# KiCad board d4_small_pcb_panel.kicad_pcb (continued)
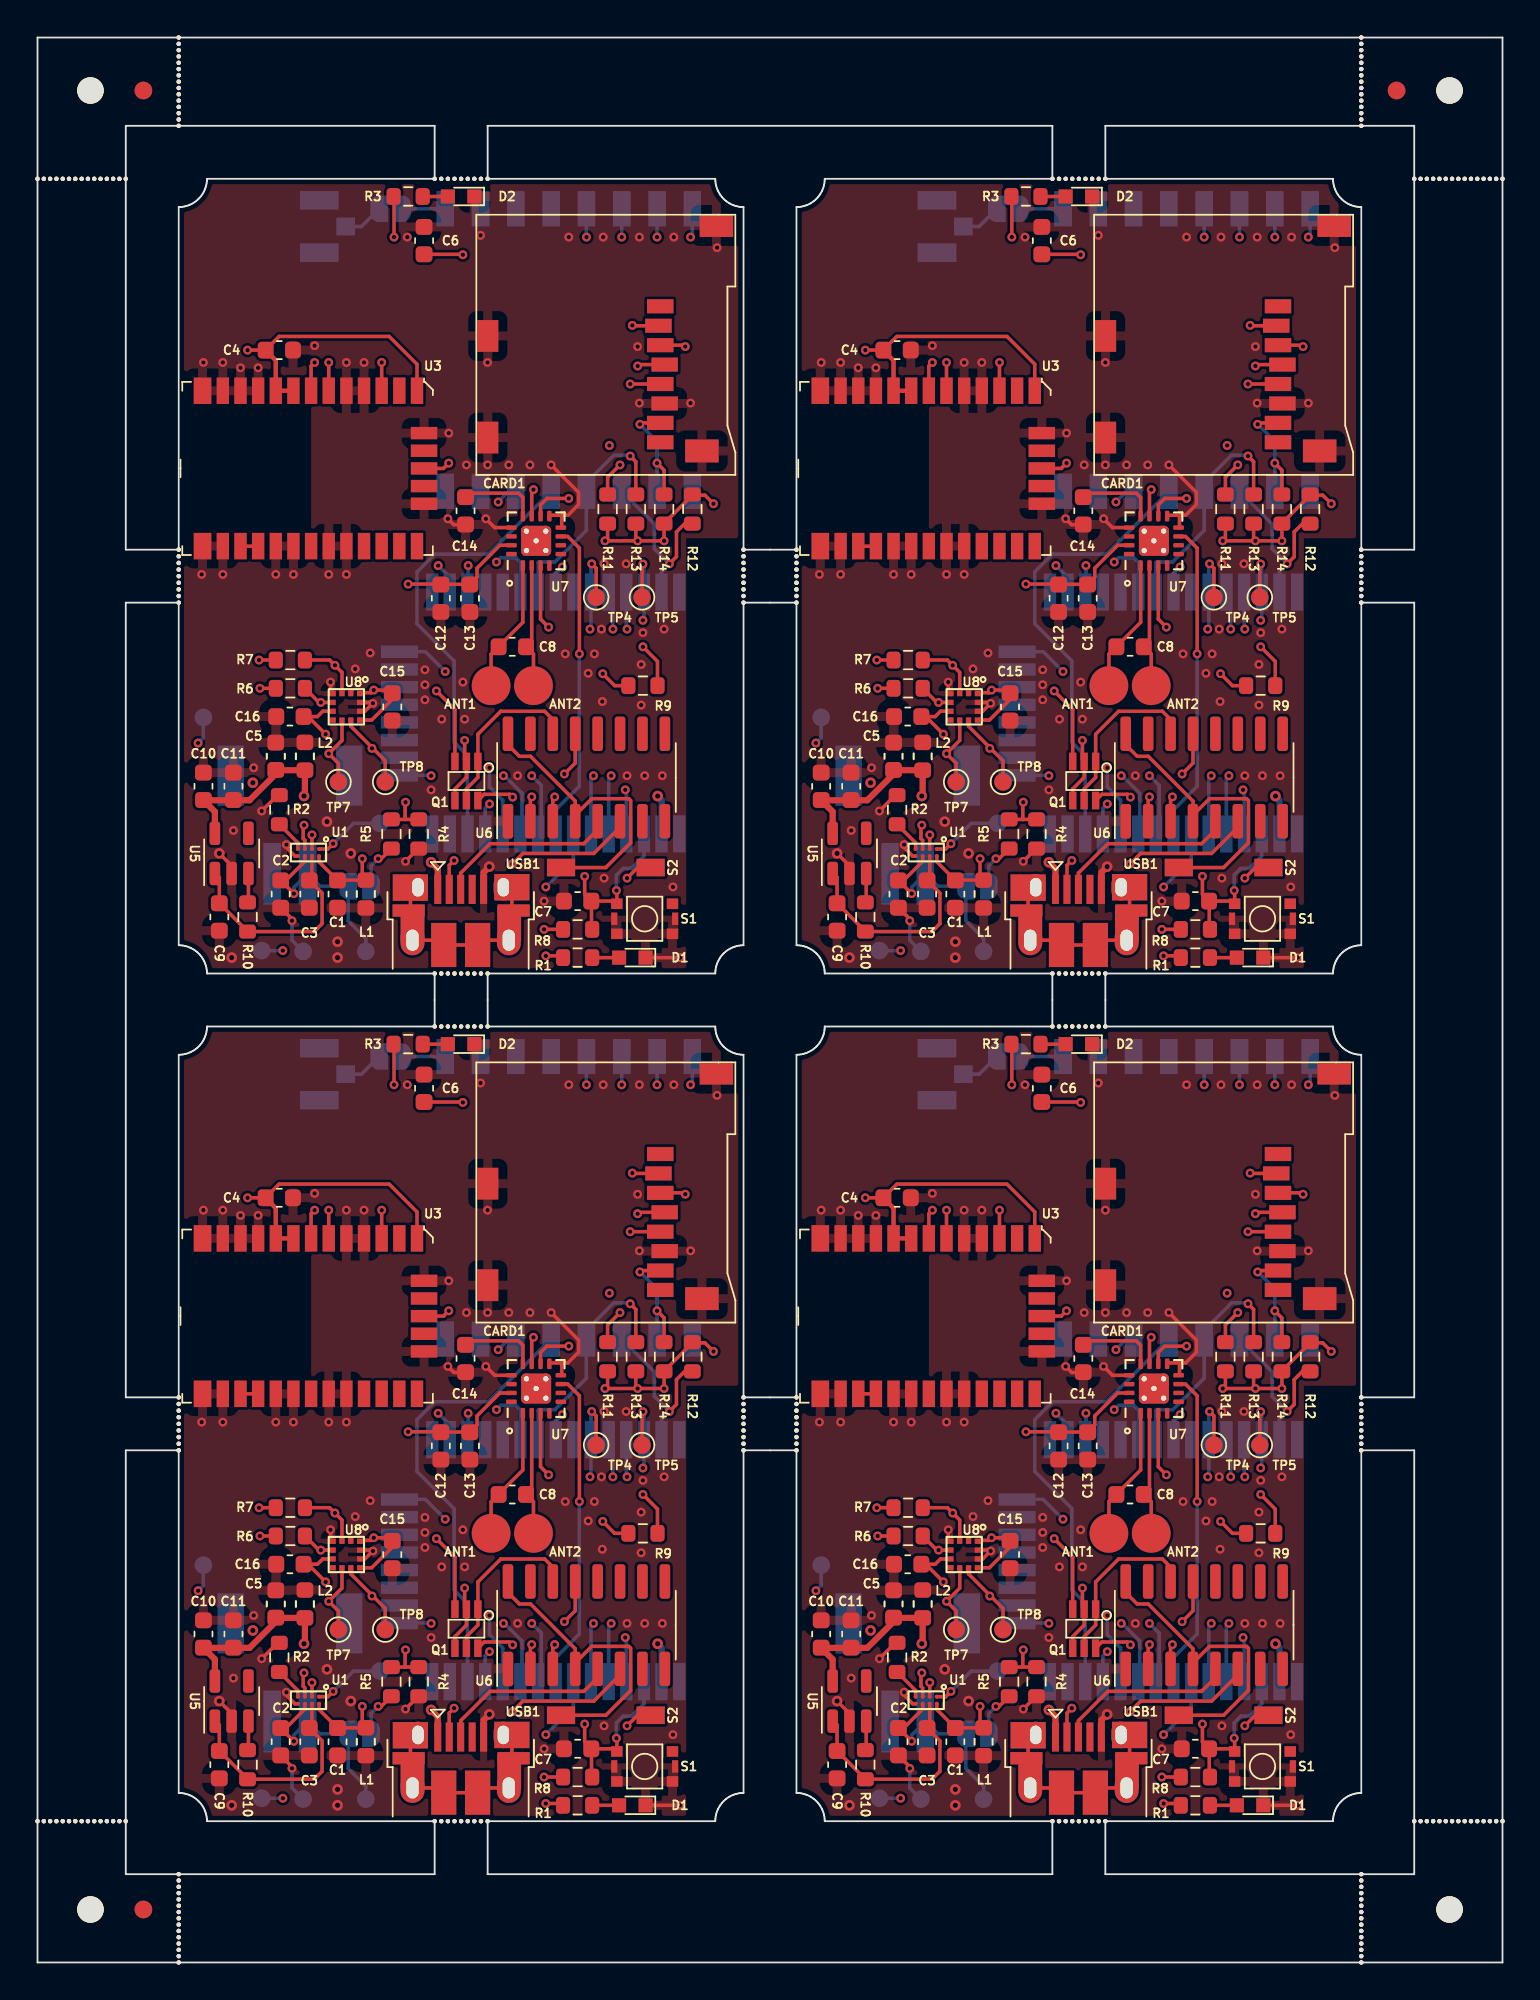
[diagram p0: board, top side]
## Placement (name value [footprint] x y rotation side) (continued)
R12  10k  [R_0603_1608Metric]  37.1 34.3 270 top
R12#2  10k  [R_0603_1608Metric]  37.1 82.3 270 top
R12#3  10k  [R_0603_1608Metric]  72.1 82.3 270 top
R12#4  10k  [R_0603_1608Metric]  72.1 34.3 270 top
R13  10k  [R_0603_1608Metric]  33.9 82.3 90 top
R13#2  10k  [R_0603_1608Metric]  68.9 82.3 90 top
R13#3  10k  [R_0603_1608Metric]  68.9 34.3 90 top
R13#4  10k  [R_0603_1608Metric]  33.9 34.3 90 top
R14  10k  [R_0603_1608Metric]  35.5 34.3 90 top
R14#2  10k  [R_0603_1608Metric]  35.5 82.3 90 top
R14#3  10k  [R_0603_1608Metric]  70.5 34.3 90 top
R14#4  10k  [R_0603_1608Metric]  70.5 82.3 90 top
S1  switch_würth_SMT_3.0x2.6mm  [würth_SMT_3.0x2.6mm]  69.4 11.1 0 top
S1#2  switch_würth_SMT_3.0x2.6mm  [würth_SMT_3.0x2.6mm]  34.4 11.1 0 top
S1#3  switch_würth_SMT_3.0x2.6mm  [würth_SMT_3.0x2.6mm]  34.4 59.1 0 top
S1#4  switch_würth_SMT_3.0x2.6mm  [würth_SMT_3.0x2.6mm]  69.4 59.1 0 top
S2  SW_DIP_x01  [CHS-01TA]  29.66 14 270 top
S2#2  SW_DIP_x01  [CHS-01TA]  64.66 14 270 top
S2#3  SW_DIP_x01  [CHS-01TA]  29.66 62 270 top
S2#4  SW_DIP_x01  [CHS-01TA]  64.66 62 270 top
TP1  GND  [TestPoint_Pad_D1.0mm]  50.05 57.25 180 bottom
TP1#2  GND  [TestPoint_Pad_D1.0mm]  50.05 9.25 180 bottom
TP1#3  GND  [TestPoint_Pad_D1.0mm]  15.05 9.25 180 bottom
TP1#4  GND  [TestPoint_Pad_D1.0mm]  15.05 57.25 180 bottom
TP2  5V  [TestPoint_Pad_D1.0mm]  47.7 57.3 180 bottom
TP2#2  5V  [TestPoint_Pad_D1.0mm]  12.7 57.3 180 bottom
TP2#3  5V  [TestPoint_Pad_D1.0mm]  12.7 9.3 180 bottom
TP2#4  5V  [TestPoint_Pad_D1.0mm]  47.7 9.3 180 bottom
TP3  3V3  [TestPoint_Pad_D1.0mm]  9.4 70.5 180 bottom
TP3#2  3V3  [TestPoint_Pad_D1.0mm]  44.4 70.5 180 bottom
TP3#3  3V3  [TestPoint_Pad_D1.0mm]  44.4 22.5 180 bottom
TP3#4  3V3  [TestPoint_Pad_D1.0mm]  9.4 22.5 180 bottom
TP4  SDA  [TestPoint_Pad_D1.0mm]  31.65 29.3 0 top
TP4#2  SDA  [TestPoint_Pad_D1.0mm]  66.65 29.3 0 top
TP4#3  SDA  [TestPoint_Pad_D1.0mm]  66.65 77.3 0 top
TP4#4  SDA  [TestPoint_Pad_D1.0mm]  31.65 77.3 0 top
TP5  SCL  [TestPoint_Pad_D1.0mm]  69.25 77.3 0 top
TP5#2  SCL  [TestPoint_Pad_D1.0mm]  34.25 29.3 0 top
TP5#3  SCL  [TestPoint_Pad_D1.0mm]  34.25 77.3 0 top
TP5#4  SCL  [TestPoint_Pad_D1.0mm]  69.25 29.3 0 top
TP6  BATT  [TestPoint_Pad_D1.0mm]  53.6 9.25 180 bottom
TP6#2  BATT  [TestPoint_Pad_D1.0mm]  18.6 9.25 180 bottom
TP6#3  BATT  [TestPoint_Pad_D1.0mm]  53.6 57.25 180 bottom
TP6#4  BATT  [TestPoint_Pad_D1.0mm]  18.6 57.25 180 bottom
TP7  ACC1  [TestPoint_Pad_D1.0mm]  17.05 66.85 0 top
TP7#2  ACC1  [TestPoint_Pad_D1.0mm]  17.05 18.85 0 top
TP7#3  ACC1  [TestPoint_Pad_D1.0mm]  52.05 18.85 0 top
TP7#4  ACC1  [TestPoint_Pad_D1.0mm]  52.05 66.85 0 top
TP8  ACC2  [TestPoint_Pad_D1.0mm]  54.7 66.85 0 top
TP8#2  ACC2  [TestPoint_Pad_D1.0mm]  54.7 18.85 0 top
TP8#3  ACC2  [TestPoint_Pad_D1.0mm]  19.7 66.85 0 top
TP8#4  ACC2  [TestPoint_Pad_D1.0mm]  19.7 18.85 0 top
TP9  TI_BATT_INT  [TestPoint_Pad_D1.0mm]  54.4 16.5 180 bottom
TP9#2  TI_BATT_INT  [TestPoint_Pad_D1.0mm]  54.4 64.5 180 bottom
TP9#3  TI_BATT_INT  [TestPoint_Pad_D1.0mm]  19.4 64.5 180 bottom
TP9#4  TI_BATT_INT  [TestPoint_Pad_D1.0mm]  19.4 16.5 180 bottom
U1  -  [BQ25180]  50.35 14.85 270 top
U1#2  -  [BQ25180]  15.35 14.85 270 top
U1#3  -  [BQ25180]  15.35 62.85 270 top
U1#4  -  [BQ25180]  50.35 62.85 270 top
U2  -  [TTGO-Micro32-ESP32]  55.8 64.2 90 bottom
U2#2  -  [TTGO-Micro32-ESP32]  20.8 16.2 90 bottom
U2#3  -  [TTGO-Micro32-ESP32]  20.8 64.2 90 bottom
U2#4  -  [TTGO-Micro32-ESP32]  55.8 16.2 90 bottom
U3  CAM-M8C  [GPS_Module_CAM-M8C-0]  15.5 84.6 270 top
U3#2  CAM-M8C  [GPS_Module_CAM-M8C-0]  15.5 36.6 270 top
U3#3  CAM-M8C  [GPS_Module_CAM-M8C-0]  50.5 36.6 270 top
U3#4  CAM-M8C  [GPS_Module_CAM-M8C-0]  50.5 84.6 270 top
U4  RFM95W-868S2  [HOPERF_RFM9XW_SMD]  30.1 43.3 90 bottom
U4#2  RFM95W-868S2  [HOPERF_RFM9XW_SMD]  65.1 91.3 90 bottom
U4#3  RFM95W-868S2  [HOPERF_RFM9XW_SMD]  30.1 91.3 90 bottom
U4#4  RFM95W-868S2  [HOPERF_RFM9XW_SMD]  65.1 43.3 90 bottom
U5  AP2112K-3.3  [SOT-23-5]  11 14.8 90 top
U5#2  AP2112K-3.3  [SOT-23-5]  11 62.8 90 top
U5#3  AP2112K-3.3  [SOT-23-5]  46 14.8 90 top
U5#4  AP2112K-3.3  [SOT-23-5]  46 62.8 90 top
U6  CH340G  [SOIC-16_3.9x9.9mm_P1.27mm]  31.1 19.1 90 top
U6#2  CH340G  [SOIC-16_3.9x9.9mm_P1.27mm]  66.1 67.1 90 top
U6#3  CH340G  [SOIC-16_3.9x9.9mm_P1.27mm]  31.1 67.1 90 top
U6#4  CH340G  [SOIC-16_3.9x9.9mm_P1.27mm]  66.1 19.1 90 top
U7  RF430CL330HIRGTR‎  [RF430_3x3mm_regular]  28.25 32.5 90 top
U7#2  RF430CL330HIRGTR‎  [RF430_3x3mm_regular]  63.25 32.5 90 top
U7#3  RF430CL330HIRGTR‎  [RF430_3x3mm_regular]  63.25 80.5 90 top
U7#4  RF430CL330HIRGTR‎  [RF430_3x3mm_regular]  28.25 80.5 90 top
U8  BMA400  [BMA400_regular]  17.5 23.1 270 top
U8#2  BMA400  [BMA400_regular]  52.5 23.1 270 top
U8#3  BMA400  [BMA400_regular]  17.5 71.1 270 top
U8#4  BMA400  [BMA400_regular]  52.5 71.1 270 top
USB1  USB_B_Micro  [USB_Micro-B_Amphenol_10103594-0001LF_Horizontal]  24 59 0 top
USB1#2  USB_B_Micro  [USB_Micro-B_Amphenol_10103594-0001LF_Horizontal]  24 11 0 top
USB1#3  USB_B_Micro  [USB_Micro-B_Amphenol_10103594-0001LF_Horizontal]  59 11 0 top
USB1#4  USB_B_Micro  [USB_Micro-B_Amphenol_10103594-0001LF_Horizontal]  59 59 0 top

## Library data of the parts
ANT1 ANT1#2-ANT1#4 ANT2 ANT2#2-ANT2#4 = -: Datasheet: https://www.mouser.de/datasheet/2/181/P70_10X-1018735.pdf; MFG: Harwin; MPN: P70-1010045R
C8 C8#2-C8#4 = -: MFG: Murata Electronics; MFN: GCM1885C2A100FA16J
C14 C14#2-C14#4 = -: Datasheet: https://www.mouser.de/datasheet/2/281/1/GRM188R61E474KA12_01A-1985832.pdf; MFG: Murata Electronics; MFN: GRM188R61E474KA12D
CARD1 CARD1#2-CARD1#4 = -: Datasheet: https://datasheet.lcsc.com/lcsc/2109061830_XUNPU-TF-101B_C266608.pdf; OC_LCSC: C266608
D1 D1#2-D1#4 = -: Datasheet: https://www.mouser.de/datasheet/2/216/APHD1608LSURCK-1100899.pdf; MFG: Kingbright; MFN: APHD1608LSURCK
D2 D2#2-D2#4 = -: Datasheet: https://www.mouser.de/datasheet/2/216/APTD1608LCGCK-1102124.pdf; MFG: Kingbright; MFN: APTD1608LCGCK
J1 J1#2-J1#4 = -: Datasheet: http://www.jst-mfg.com/product/pdf/eng/ePH.pdf; Description: CONN HEADER SMD R/A 2POS 2MM; Category: Connectors, Interconnects; DK_Datasheet_Link: http://www.jst-mfg.com/product/pdf/eng/ePH.pdf; DK_Detail_Page: /product-detail/en/jst-sales-america-inc/S2B-PH-SM4-TB(LF)(SN)/455-1749-1-ND/926846; Digi-Key_PN: 455-1749-1-ND; Family: Rectangular Connectors - Headers, Male Pins; MPN: S2B-PH-SM4-TB(LF)(SN); Manufacturer: JST Sales America Inc.; Status: Active
J2 J2#2-J2#4 = -: Datasheet: https://www.hirose.com/product/en/download_file/key_name/U.FL-R-SMT-1%2810%29/category/Drawing%20(2D)/doc_file_id/37627/?file_category_id=6&item_id=03310472210&is_series=U.FL-R-SMT-1(10; Description: CONN U.FL RCPT STR 50 OHM SMD; Category: Connectors, Interconnects; DK_Datasheet_Link: https://www.hirose.com/product/en/download_file/key_name/U.FL-R-SMT-1%2810%29/category/Drawing%20(2D)/doc_file_id/37627/?file_category_id=6&item_id=03310472210&is_series=U.FL-R-SMT-1(10; DK_Detail_Page: /product-detail/en/hirose-electric-co-ltd/U.FL-R-SMT-1(10)/H11891CT-ND/2504612; Digi-Key_PN: H11891CT-ND; Family: Coaxial Connectors (RF); MPN: U.FL-R-SMT-1(10); Manufacturer: Hirose Electric Co Ltd; Status: Active
S1 S1#2-S1#4 = -: Datasheet: https://www.mouser.de/datasheet/2/445/435171014816-3087384.pdf; MFG: Wurth Elektronik; MPN: 435171014816
S2 S2#2-S2#4 = -: Datasheet: https://www.mouser.de/datasheet/2/972/chs-1827180.pdf; MFG: Nidec Components; MPN: CHS-01TA
U1 U1#2-U1#4 = -: Datasheet: https://www.ti.com/lit/ds/symlink/bq25180.pdf; MFG: Texas Instruments; MPN: BQ25180YBGR
U3 U3#2-U3#4 = -: Datasheet: https://www.u-blox.com/sites/default/files/CAM-M8-FW3_DataSheet_%28UBX-15031574%29.pdf; Description: RF RCVR GNSS/GPS 1.575GHZ MODULE; Category: RF/IF and RFID; DK_Datasheet_Link: https://www.u-blox.com/sites/default/files/CAM-M8-FW3_DataSheet_%28UBX-15031574%29.pdf; DK_Detail_Page: /product-detail/en/u-blox-america-inc/CAM-M8C-0-10/672-CAM-M8C-0-10CT-ND/6150677; Digi-Key_PN: 672-CAM-M8C-0-10CT-ND; Family: RF Receivers; MPN: CAM-M8C-0-10; Manufacturer: U-Blox America Inc.; Status: Active
U4 U4#2-U4#4 = -: Datasheet: https://www.hoperf.com/data/upload/portal/20181127/5bfcbea20e9ef.pdf
U5 U5#2-U5#4 = -: Datasheet: https://www.diodes.com/assets/Datasheets/AP2112.pdf; MFG: Diodes Incorporated; MFN: AP2112K-3.3TRG1
U6 U6#2-U6#4 = -: Datasheet: http://www.datasheet5.com/pdf-local-2195953; OC_LCSC: C14267
U7 U7#2-U7#4 = -: Datasheet: https://www.ti.com/lit/ds/symlink/rf430cl330h.pdf; MFG: Texas Instruments; MPN: RF430CL330HIRGTR
U8 U8#2-U8#4 = -: Datasheet: https://www.mouser.de/datasheet/2/783/BST_BMA400_DS000-1509606.pdf
USB1 USB1#2-USB1#4 = -: Datasheet: https://www.mouser.de/ProductDetail/Amphenol-FCI/10103594-0001LF?qs=EnLMdcWnKABYZwdMsmC%2Fag%3D%3D; MFG: Amphenol FCI; MPN: 10103594-0001LF

## Footprints (pads in the part's own frame, mm; a bottom-side part is the same pattern mirrored in y, then rotated)
BMA400_regular
  rect 0.3x0.35 smd: 1(-0.75,-0.775) 2(-0.25,-0.775) 3(0.25,-0.775) 4(0.75,-0.775) 7(0.75,0.775) 8(0.25,0.775) 9(-0.25,0.775) 10(-0.75,0.775)
  rect 0.35x0.3 smd: 5(0.775,-0.25) 6(0.775,0.25) 11(-0.775,0.25) 12(-0.775,-0.25)
BQ25180
  round 0.23 smd: 1(-0.2,0.6) 2(-0.2,0.2) 3(-0.2,-0.2) 4(-0.2,-0.6) 5(0.2,0.6) 6(0.2,0.2) 7(0.2,-0.2) 8(0.2,-0.6)
C_0603_1608Metric
  rrect 0.9x0.95 smd: 1(-0.775,0) 2(0.775,0)
CHS-01TA
  rect 1x1.6 smd: 1(0,0) 2(0,5.08)
Coax_Conn_U.FL
  rect 1.05x2.2 smd: 1(-1.475,0) 1(1.475,0)
  rect 1x1.05 smd: 2(0,-1.5)
Fiducial
  round 1 smd: (0,0)
GPS_Module_CAM-M8C-0
  rect 1.5x0.7 smd: 1(-4.4,6) 2(-4.4,5) 3(-4.4,4) 4(-4.4,3) 5(-4.4,2) 6(-4.4,1) 7(-4.4,0) 8(-4.4,-1) 9(-4.4,-2) 10(-4.4,-3) 11(-4.4,-4) 12(-4.4,-5) 15(4.4,-5) 16(4.4,-4) 17(4.4,-3) 18(4.4,-2) 19(4.4,-1) 20(4.4,0) 21(4.4,1) 22(4.4,2) 23(4.4,3) 24(4.4,4) 25(4.4,5) 26(4.4,6)
  rect 1.5x1 smd: 13(-4.4,-6.15) 14(4.4,-6.15)
  rect 0.7x1.5 smd: 27(2,6.4) 28(1,6.4) 29(0,6.4) 30(-1,6.4) 31(-2,6.4)
HOPERF_RFM9XW_SMD
  rect 2x1 smd: 1(-8,7) 2(-8,5) 3(-8,3) 4(-8,1) 5(-8,-1) 6(-8,-3) 7(-8,-5) 8(-8,-7) 9(8,-7) 10(8,-5) 11(8,-3) 12(8,-1) 13(8,1) 14(8,3) 15(8,5) 16(8,7)
L_0603_1608Metric
  rrect 0.875x0.95 smd: 1(-0.787,0) 2(0.787,0)
LED_0603
  rect 0.8x0.8 smd: 1(-0.75,0) 2(0.75,0)
NPTH
  round 0.25 hole 0.25 unplated: (0,0)
NPTH#2
  round 1.5 hole 1.5 unplated: (0,0)
PinHeader_2x1mm_P2mm_SMD_RA
  rect 1.5x3.4 smd: (-3.35,5.55) (3.35,5.55)
  rect 1x3.5 smd: 1(-1,0) 2(1,0)
PogoPin_2_2mm_circular
  round 2.2 smd: 1(1.7,-3.2)
PogoPin_2_2mm_circular#2
  round 2.2 smd: 1(1.1,-3.2)
R_0603_1608Metric
  rrect 0.8x0.95 smd: 1(-0.825,0) 2(0.825,0)
RF430_3x3mm_regular
  rrect 0.74x0.74 smd: (-0.45,0) (0.425,0)
  rrect 0.6x0.25 smd: 1(-1.4,0.75) 2(-1.4,0.25) 3(-1.4,-0.25) 4(-1.4,-0.75) 9(1.4,-0.75) 10(1.4,-0.25) 11(1.4,0.25) 12(1.4,0.75)
  rrect 0.25x0.6 smd: 5(-0.75,-1.4) 6(-0.25,-1.4) 7(0.25,-1.4) 8(0.75,-1.4) 13(0.75,1.4) 14(0.25,1.4) 15(-0.25,1.4) 16(-0.75,1.4)
  round 0.6 hole 0.3: 17(-0.55,0.55) 17(-0.55,-0.55) 17(0,0) 17(0.55,0.55) 17(0.55,-0.55)
  rrect 1.7x1.7 smd: 17(0,0)
  rrect 1.7x1.7 smd far side: 17(0,0)
SOIC-16_3.9x9.9mm_P1.27mm
  rrect 1.95x0.6 smd: 1(-2.475,4.445) 2(-2.475,3.175) 3(-2.475,1.905) 4(-2.475,0.635) 5(-2.475,-0.635) 6(-2.475,-1.905) 7(-2.475,-3.175) 8(-2.475,-4.445) 9(2.475,-4.445) 10(2.475,-3.175) 11(2.475,-1.905) 12(2.475,-0.635) 13(2.475,0.635) 14(2.475,1.905) 15(2.475,3.175) 16(2.475,4.445)
SolderJumper-2_P1.3mm_Open_RoundedPad1.0x1.5mm
  custom 1x1.5 smd: 1(-0.65,0) 2(0.65,0)
SOT-23-5
  rrect 1.325x0.6 smd: 1(-1.137,0.95) 2(-1.137,0) 3(-1.137,-0.95) 4(1.137,-0.95) 5(1.137,0.95)
TestPoint_Pad_D1.0mm
  round 1 smd: 1(0,0)
TF-SMD_TF-101B
  rect 0.8x1.5 smd: 1(2.18,-2.545) 2(1.08,-2.445) 3(-0.02,-2.545) 4(-1.12,-2.795) 5(-2.22,-2.545) 6(-3.32,-2.795) 7(-4.42,-2.545) 8(-5.52,-2.545)
  rect 1.8x1.2 smd: 9(-5.25,7.225) 10(0.5,7.225)
  rect 1.3x1.9 smd: 11(6.76,-5.725) 12(-6.01,-4.905)
TTGO-Micro32-ESP32
  rect 2.1x0.7 smd: 1(-0.3,15.56) 2(-0.3,14.56) 3(-0.3,13.56) 4(-0.3,12.56) 5(-0.3,11.56) 6(-0.3,10.56) 7(-0.3,9.56) 8(-0.3,8.56) 9(-0.3,7.56) 10(-0.3,6.56) 11(-0.3,5.56) 12(-0.3,4.56) 13(-0.3,3.56) 14(-0.3,2.56) 15(-0.3,1.56) 24(13.4,1.56) 25(13.4,2.56) 26(13.4,3.56) 27(13.4,4.56) 28(13.4,5.56) 29(13.4,6.56) 30(13.4,7.56) 31(13.4,8.56) 32(13.4,9.56) 33(13.4,10.56) 34(13.4,11.56) 35(13.4,12.56) 36(13.4,13.56) 37(13.4,14.56) 38(13.4,15.56)
  rect 0.7x2.1 smd: 16(3.02,-0.3) 17(4.02,-0.3) 18(5.02,-0.3) 19(6.02,-0.3) 20(7.02,-0.3) 21(8.02,-0.3) 22(9.02,-0.3) 23(10.02,-0.3)
UMH3N
  rect 0.42x1 smd: 1(-0.65,-1.105) 2(0,-1.105) 3(0.65,-1.105) 4(0.65,1.105) 5(0,1.105) 6(-0.65,1.105)
USB_Micro-B_Amphenol_10103594-0001LF_Horizontal
  rect 0.4x1.65 smd: 1(-1.325,1.765) 2(-0.675,1.765) 3(-0.025,1.765) 4(0.625,1.765) 5(1.275,1.765)
  rect 1.825x0.7 smd: 6(-2.975,0.565) 6(2.975,0.565)
  rect 2x1.5 smd: 6(-2.875,1.865) 6(2.875,1.885)
  rect 1.35x2 smd: 6(-2.755,-0.185) 6(2.725,-0.185)
  oval 1.35x1.7 hole 0.7x1.2: 6(-2.755,-1.115) 6(2.705,-1.115)
  oval 1.1x1.5 hole 0.65x1.05: 6(-2.445,1.885) 6(2.395,1.885)
  rect 1.43x2.5 smd: 6(-0.985,-1.385) 6(0.935,-1.385)
würth_SMT_3.0x2.6mm
  rect 0.65x0.6 smd: 1(-1.575,0.85) 2(1.575,0.85) 3(-1.575,-0.85) 4(1.575,-0.85)
  rect 0.35x0.7 smd: 5(-1.725,0) 6(1.725,0)

## Nets
Board_0-0: Q1#2.3 U2#3.25
Board_0-4: CARD1.2 R11#3.2 U2#3.26
Board_0-5: U2#3.29 U3.7
Board_0-13: U2#3.16 U4#3.14
Board_0-14: U2#3.13 U4#3.5
Board_0-15: U2#3.23 U7#4.3
Board_0-18: CARD1.5 R13.2 U2#3.30 U4#3.4
Board_0-19: CARD1.7 R14#2.2 U2#3.31 U4#3.2
Board_0-23: CARD1.3 R12#2.2 U2#3.37 U4#3.3
Board_0-27: R1.1 U2#3.12
Board_0-32: U2#3.8 U7#4.7
Board_0-33: U2#3.9 U4#3.15
Board_0-34: R9.2 U2#3.6 U4#3.6
Board_0-35: R4#2.1 R5#2.2 U2#3.7
Board_0-36: TP9#3.1 U1#3.1 U2#3.4
Board_0-39: U2#3.5 U4#3.16
Board_0-+3.3V: C6#2.2 U4#3.13
Board_0-+3V3: C4.2 C5#2.1 C10#3.2 C11.2 C12.1 C13.1 C15.1 C16.1 CARD1.4 L2.1 R6#4.1 R7#3.1 R8#4.1 R9.1 R11#3.1 R12#2.1 R13.1 R14#2.1 S2#3.2 TP3.1 U2#3.2 U3.1 U3.8 U3.9 U5#2.5 U7#4.15 U8#3.3 U8#3.7 U8#3.10
Board_0-+5V: C1#2.2 L1#4.1 TP2#2.1 U1#3.5 USB1.1
Board_0-+BATT: C2#2.2 J1#4.1 JP1.1 TP6#4.1 U1#3.7
Board_0-ACC_INT1: TP7.1 U2#3.10 U8#3.5
Board_0-ACC_INT2: TP8#3.1 U2#3.11 U8#3.6
Board_0-ANT: JP2.1 U4#3.9
Board_0-ANT1: ANT1#2.1 C8#2.1 U7#4.1
Board_0-ANT2: ANT2#3.1 C8#2.2 U7#4.2
Board_0-D+: U6#3.5 USB1.3
Board_0-D-: U6#3.6 USB1.2
Board_0-DTR: Q1#2.2 Q1#2.4 U6#3.13
Board_0-GND: C1#2.1 C2#2.1 C3#4.2 C4.1 C5#2.2 C6#2.1 C7.2 C9#3.1 C10#3.1 C11.1 C12.2 C13.2 C14.2 C15.2 C16.2 CARD1.6 CARD1.9 CARD1.10 CARD1.11 CARD1.12 D1#2.1 D2.1 J1#4.2 J2#2.1 L1#4.2 L2.2 R2#2.2 R4#2.2 S1#3.3 S1#3.4 S1#3.5 S1#3.6 TP1#4.1 U1#3.8 U2#3.1 U2#3.15 U2#3.38 U3.4 U3.5 U3.10 U3.11 U3.12 U3.13 U3.14 U3.15 U3.18 U3.19 U3.21 U3.22 U3.27 U3.31 U4#3.1 U4#3.8 U4#3.10 U5#2.2 U6#3.1 U7#4.8 U7#4.9 U7#4.13 U8#3.1 U8#3.8 U8#3.9 USB1.5
Board_0-Net-(D1-A): D1#2.2 R1.2
Board_0-Net-(D2-A): D2.2 R3.2
Board_0-Net-(JP1-B): JP1.2 R5#2.1
Board_0-Net-(JP2-B): J2#2.2 JP2.2
Board_0-Net-(U1-TS/MR): R2#2.1 U1#3.4
Board_0-Net-(U3-RF_IN): U3.16 U3.17
Board_0-Net-(U3-TIMEPULSE): R3.1 U3.29
Board_0-Net-(U5-EN): R10.1 U5#2.3
Board_0-Net-(U6-V3): S2#3.1 U6#3.4 U6#3.16
Board_0-Net-(U7-VCORE): C14.1 U7#4.12
Board_0-RESET: C7.1 Q1#2.6 R8#4.2 S1#3.1 U2#3.3
Board_0-RTS: Q1#2.1 Q1#2.5 U6#3.14
Board_0-RX0: U2#3.34 U6#3.2
Board_0-SCL: R7#3.2 TP5#3.1 U1#3.2 U2#3.36 U3.6 U7#4.10 U8#3.12
Board_0-SDA: R6#4.2 TP4#4.1 U1#3.3 U2#3.33 U3.3 U7#4.11 U8#3.2
Board_0-TX0: U2#3.35 U6#3.3
Board_0-unconnected-(CARD1-DAT1-Pad8): CARD1.8
Board_0-unconnected-(CARD1-DAT2-Pad1): CARD1.1
Board_0-unconnected-(S1-Pad2): S1#3.2
Board_0-unconnected-(U2-IO2-Pad24): U2#3.24
Board_0-unconnected-(U2-IO6-Pad20): U2#3.20
Board_0-unconnected-(U2-IO7-Pad21): U2#3.21
Board_0-unconnected-(U2-IO8-Pad22): U2#3.22
Board_0-unconnected-(U2-IO9-Pad17): U2#3.17
Board_0-unconnected-(U2-IO10-Pad18): U2#3.18
Board_0-unconnected-(U2-IO11-Pad19): U2#3.19
Board_0-unconnected-(U2-IO12-Pad14): U2#3.14
Board_0-unconnected-(U2-IO16-Pad27): U2#3.27
Board_0-unconnected-(U2-IO17-Pad28): U2#3.28
Board_0-unconnected-(U2-NC-Pad32): U2#3.32
Board_0-unconnected-(U3-D_SEL-Pad20): U3.20
Board_0-unconnected-(U3-LNA_EN-Pad30): U3.30
Board_0-unconnected-(U3-RES-Pad2): U3.2
Board_0-unconnected-(U3-RES-Pad28): U3.28
Board_0-unconnected-(U3-RES_N-Pad23): U3.23
Board_0-unconnected-(U3-RXD/SPI_MOSI-Pad26): U3.26
Board_0-unconnected-(U3-SAFEBOOT_N-Pad24): U3.24
Board_0-unconnected-(U3-TXD/SPI_MISO-Pad25): U3.25
Board_0-unconnected-(U4-DIO3-Pad11): U4#3.11
Board_0-unconnected-(U4-DIO4-Pad12): U4#3.12
Board_0-unconnected-(U4-DIO5-Pad7): U4#3.7
Board_0-unconnected-(U5-NC-Pad4): U5#2.4
Board_0-unconnected-(U6-R232-Pad15): U6#3.15
Board_0-unconnected-(U6-XI-Pad7): U6#3.7
Board_0-unconnected-(U6-XO-Pad8): U6#3.8
Board_0-unconnected-(U6-~{CTS}-Pad9): U6#3.9
Board_0-unconnected-(U6-~{DCD}-Pad12): U6#3.12
Board_0-unconnected-(U6-~{DSR}-Pad10): U6#3.10
Board_0-unconnected-(U6-~{RI}-Pad11): U6#3.11
Board_0-unconnected-(U7-E0-Pad4): U7#4.4
Board_0-unconnected-(U7-E1-Pad5): U7#4.5
Board_0-unconnected-(U7-E2-Pad6): U7#4.6
Board_0-unconnected-(U7-NC-Pad14): U7#4.14
Board_0-unconnected-(U7-NC-Pad16): U7#4.16
Board_0-unconnected-(U7-PAD-Pad17)_3: U7#4.17
Board_0-unconnected-(U8-NC-Pad4): U8#3.4
Board_0-unconnected-(U8-NC-Pad11): U8#3.11
Board_0-unconnected-(USB1-ID-Pad4): USB1.4
Board_0-unconnected-(USB1-Shield-Pad6): USB1.6
Board_0-VCC: C3#4.1 C9#3.2 R10.2 U1#3.6 U5#2.1
Board_1-0: Q1#3.3 U2.25
Board_1-4: CARD1#2.2 R11#4.2 U2.26
Board_1-5: U2.29 U3#4.7
Board_1-13: U2.16 U4#2.14
Board_1-14: U2.13 U4#2.5
Board_1-15: U2.23 U7#3.3
Board_1-18: CARD1#2.5 R13#2.2 U2.30 U4#2.4
Board_1-19: CARD1#2.7 R14#4.2 U2.31 U4#2.2
Board_1-23: CARD1#2.3 R12#3.2 U2.37 U4#2.3
Board_1-27: R1#3.1 U2.12
Board_1-32: U2.8 U7#3.7
Board_1-33: U2.9 U4#2.15
Board_1-34: R9#3.2 U2.6 U4#2.6
Board_1-35: R4#4.1 R5.2 U2.7
Board_1-36: TP9#2.1 U1#4.1 U2.4
Board_1-39: U2.5 U4#2.16
Board_1-+3.3V: C6.2 U4#2.13
Board_1-+3V3: C4#3.2 C5.1 C10#4.2 C11#4.2 C12#2.1 C13#3.1 C15#4.1 C16#3.1 CARD1#2.4 L2#2.1 R6#3.1 R7.1 R8#3.1 R9#3.1 R11#4.1 R12#3.1 R13#2.1 R14#4.1 S2#4.2 TP3#2.1 U2.2 U3#4.1 U3#4.8 U3#4.9 U5#4.5 U7#3.15 U8#4.3 U8#4.7 U8#4.10
Board_1-+5V: C1.2 L1#3.1 TP2.1 U1#4.5 USB1#4.1
Board_1-+BATT: C2.2 J1.1 JP1#4.1 TP6#3.1 U1#4.7
Board_1-ACC_INT1: TP7#4.1 U2.10 U8#4.5
Board_1-ACC_INT2: TP8.1 U2.11 U8#4.6
Board_1-ANT: JP2#3.1 U4#2.9
Board_1-ANT1: ANT1.1 C8#3.1 U7#3.1
Board_1-ANT2: ANT2#4.1 C8#3.2 U7#3.2
Board_1-D+: U6#2.5 USB1#4.3
Board_1-D-: U6#2.6 USB1#4.2
Board_1-DTR: Q1#3.2 Q1#3.4 U6#2.13
Board_1-GND: C1.1 C2.1 C3#3.2 C4#3.1 C5.2 C6.1 C7#2.2 C9#2.1 C10#4.1 C11#4.1 C12#2.2 C13#3.2 C14#2.2 C15#4.2 C16#3.2 CARD1#2.6 CARD1#2.9 CARD1#2.10 CARD1#2.11 CARD1#2.12 D1#3.1 D2#3.1 J1.2 J2#4.1 L1#3.2 L2#2.2 R2#4.2 R4#4.2 S1#4.3 S1#4.4 S1#4.5 S1#4.6 TP1.1 U1#4.8 U2.1 U2.15 U2.38 U3#4.4 U3#4.5 U3#4.10 U3#4.11 U3#4.12 U3#4.13 U3#4.14 U3#4.15 U3#4.18 U3#4.19 U3#4.21 U3#4.22 U3#4.27 U3#4.31 U4#2.1 U4#2.8 U4#2.10 U5#4.2 U6#2.1 U7#3.8 U7#3.9 U7#3.13 U8#4.1 U8#4.8 U8#4.9 USB1#4.5
Board_1-Net-(D1-A): D1#3.2 R1#3.2
Board_1-Net-(D2-A): D2#3.2 R3#4.2
Board_1-Net-(JP1-B): JP1#4.2 R5.1
Board_1-Net-(JP2-B): J2#4.2 JP2#3.2
Board_1-Net-(U1-TS/MR): R2#4.1 U1#4.4
Board_1-Net-(U3-RF_IN): U3#4.16 U3#4.17
Board_1-Net-(U3-TIMEPULSE): R3#4.1 U3#4.29
Board_1-Net-(U5-EN): R10#4.1 U5#4.3
Board_1-Net-(U6-V3): S2#4.1 U6#2.4 U6#2.16
Board_1-Net-(U7-VCORE): C14#2.1 U7#3.12
Board_1-RESET: C7#2.1 Q1#3.6 R8#3.2 S1#4.1 U2.3
Board_1-RTS: Q1#3.1 Q1#3.5 U6#2.14
Board_1-RX0: U2.34 U6#2.2
Board_1-SCL: R7.2 TP5.1 U1#4.2 U2.36 U3#4.6 U7#3.10 U8#4.12
Board_1-SDA: R6#3.2 TP4#3.1 U1#4.3 U2.33 U3#4.3 U7#3.11 U8#4.2
Board_1-TX0: U2.35 U6#2.3
Board_1-unconnected-(CARD1-DAT1-Pad8): CARD1#2.8
Board_1-unconnected-(CARD1-DAT2-Pad1): CARD1#2.1
Board_1-unconnected-(S1-Pad2): S1#4.2
Board_1-unconnected-(U2-IO2-Pad24): U2.24
Board_1-unconnected-(U2-IO6-Pad20): U2.20
Board_1-unconnected-(U2-IO7-Pad21): U2.21
Board_1-unconnected-(U2-IO8-Pad22): U2.22
Board_1-unconnected-(U2-IO9-Pad17): U2.17
Board_1-unconnected-(U2-IO10-Pad18): U2.18
Board_1-unconnected-(U2-IO11-Pad19): U2.19
Board_1-unconnected-(U2-IO12-Pad14): U2.14
Board_1-unconnected-(U2-IO16-Pad27): U2.27
Board_1-unconnected-(U2-IO17-Pad28): U2.28
Board_1-unconnected-(U2-NC-Pad32): U2.32
Board_1-unconnected-(U3-D_SEL-Pad20): U3#4.20
Board_1-unconnected-(U3-LNA_EN-Pad30): U3#4.30
Board_1-unconnected-(U3-RES-Pad2): U3#4.2
Board_1-unconnected-(U3-RES-Pad28): U3#4.28
Board_1-unconnected-(U3-RES_N-Pad23): U3#4.23
Board_1-unconnected-(U3-RXD/SPI_MOSI-Pad26): U3#4.26
Board_1-unconnected-(U3-SAFEBOOT_N-Pad24): U3#4.24
Board_1-unconnected-(U3-TXD/SPI_MISO-Pad25): U3#4.25
Board_1-unconnected-(U4-DIO3-Pad11): U4#2.11
Board_1-unconnected-(U4-DIO4-Pad12): U4#2.12
Board_1-unconnected-(U4-DIO5-Pad7): U4#2.7
Board_1-unconnected-(U5-NC-Pad4): U5#4.4
Board_1-unconnected-(U6-R232-Pad15): U6#2.15
Board_1-unconnected-(U6-XI-Pad7): U6#2.7
Board_1-unconnected-(U6-XO-Pad8): U6#2.8
Board_1-unconnected-(U6-~{CTS}-Pad9): U6#2.9
Board_1-unconnected-(U6-~{DCD}-Pad12): U6#2.12
Board_1-unconnected-(U6-~{DSR}-Pad10): U6#2.10
Board_1-unconnected-(U6-~{RI}-Pad11): U6#2.11
Board_1-unconnected-(U7-E0-Pad4): U7#3.4
Board_1-unconnected-(U7-E1-Pad5): U7#3.5
Board_1-unconnected-(U7-E2-Pad6): U7#3.6
Board_1-unconnected-(U7-NC-Pad14): U7#3.14
Board_1-unconnected-(U7-NC-Pad16): U7#3.16
Board_1-unconnected-(U7-PAD-Pad17)_3: U7#3.17
Board_1-unconnected-(U8-NC-Pad4): U8#4.4
Board_1-unconnected-(U8-NC-Pad11): U8#4.11
Board_1-unconnected-(USB1-ID-Pad4): USB1#4.4
Board_1-unconnected-(USB1-Shield-Pad6): USB1#4.6
Board_1-VCC: C3#3.1 C9#2.2 R10#4.2 U1#4.6 U5#4.1
Board_2-0: Q1#4.3 U2#2.25
Board_2-4: CARD1#3.2 R11.2 U2#2.26
Board_2-5: U2#2.29 U3#2.7
Board_2-13: U2#2.16 U4.14
Board_2-14: U2#2.13 U4.5
Board_2-15: U2#2.23 U7.3
Board_2-18: CARD1#3.5 R13#4.2 U2#2.30 U4.4
Board_2-19: CARD1#3.7 R14.2 U2#2.31 U4.2
Board_2-23: CARD1#3.3 R12.2 U2#2.37 U4.3
Board_2-27: R1#4.1 U2#2.12
Board_2-32: U2#2.8 U7.7
Board_2-33: U2#2.9 U4.15
Board_2-34: R9#2.2 U2#2.6 U4.6
Board_2-35: R4#3.1 R5#3.2 U2#2.7
Board_2-36: TP9#4.1 U1#2.1 U2#2.4
Board_2-39: U2#2.5 U4.16
Board_2-+3.3V: C6#4.2 U4.13
Board_2-+3V3: C4#4.2 C5#3.1 C10.2 C11#2.2 C12#4.1 C13#4.1 C15#2.1 C16#2.1 CARD1#3.4 L2#3.1 R6.1 R7#4.1 R8.1 R9#2.1 R11.1 R12.1 R13#4.1 R14.1 S2.2 TP3#4.1 U2#2.2 U3#2.1 U3#2.8 U3#2.9 U5.5 U7.15 U8.3 U8.7 U8.10
Board_2-+5V: C1#4.2 L1#2.1 TP2#3.1 U1#2.5 USB1#2.1
Board_2-+BATT: C2#4.2 J1#3.1 JP1#2.1 TP6#2.1 U1#2.7
Board_2-ACC_INT1: TP7#2.1 U2#2.10 U8.5
Board_2-ACC_INT2: TP8#4.1 U2#2.11 U8.6
Board_2-ANT: JP2#4.1 U4.9
Board_2-ANT1: ANT1#3.1 C8.1 U7.1
Board_2-ANT2: ANT2.1 C8.2 U7.2
Board_2-D+: U6.5 USB1#2.3
Board_2-D-: U6.6 USB1#2.2
Board_2-DTR: Q1#4.2 Q1#4.4 U6.13
Board_2-GND: C1#4.1 C2#4.1 C3#2.2 C4#4.1 C5#3.2 C6#4.1 C7#3.2 C9.1 C10.1 C11#2.1 C12#4.2 C13#4.2 C14#3.2 C15#2.2 C16#2.2 CARD1#3.6 CARD1#3.9 CARD1#3.10 CARD1#3.11 CARD1#3.12 D1.1 D2#4.1 J1#3.2 J2.1 L1#2.2 L2#3.2 R2.2 R4#3.2 S1#2.3 S1#2.4 S1#2.5 S1#2.6 TP1#3.1 U1#2.8 U2#2.1 U2#2.15 U2#2.38 U3#2.4 U3#2.5 U3#2.10 U3#2.11 U3#2.12 U3#2.13 U3#2.14 U3#2.15 U3#2.18 U3#2.19 U3#2.21 U3#2.22 U3#2.27 U3#2.31 U4.1 U4.8 U4.10 U5.2 U6.1 U7.8 U7.9 U7.13 U8.1 U8.8 U8.9 USB1#2.5
Board_2-Net-(D1-A): D1.2 R1#4.2
Board_2-Net-(D2-A): D2#4.2 R3#2.2
Board_2-Net-(JP1-B): JP1#2.2 R5#3.1
Board_2-Net-(JP2-B): J2.2 JP2#4.2
Board_2-Net-(U1-TS/MR): R2.1 U1#2.4
Board_2-Net-(U3-RF_IN): U3#2.16 U3#2.17
Board_2-Net-(U3-TIMEPULSE): R3#2.1 U3#2.29
Board_2-Net-(U5-EN): R10#3.1 U5.3
Board_2-Net-(U6-V3): S2.1 U6.4 U6.16
Board_2-Net-(U7-VCORE): C14#3.1 U7.12
Board_2-RESET: C7#3.1 Q1#4.6 R8.2 S1#2.1 U2#2.3
Board_2-RTS: Q1#4.1 Q1#4.5 U6.14
Board_2-RX0: U2#2.34 U6.2
Board_2-SCL: R7#4.2 TP5#2.1 U1#2.2 U2#2.36 U3#2.6 U7.10 U8.12
Board_2-SDA: R6.2 TP4.1 U1#2.3 U2#2.33 U3#2.3 U7.11 U8.2
Board_2-TX0: U2#2.35 U6.3
Board_2-unconnected-(CARD1-DAT1-Pad8): CARD1#3.8
Board_2-unconnected-(CARD1-DAT2-Pad1): CARD1#3.1
Board_2-unconnected-(S1-Pad2): S1#2.2
Board_2-unconnected-(U2-IO2-Pad24): U2#2.24
Board_2-unconnected-(U2-IO6-Pad20): U2#2.20
Board_2-unconnected-(U2-IO7-Pad21): U2#2.21
Board_2-unconnected-(U2-IO8-Pad22): U2#2.22
Board_2-unconnected-(U2-IO9-Pad17): U2#2.17
Board_2-unconnected-(U2-IO10-Pad18): U2#2.18
Board_2-unconnected-(U2-IO11-Pad19): U2#2.19
Board_2-unconnected-(U2-IO12-Pad14): U2#2.14
Board_2-unconnected-(U2-IO16-Pad27): U2#2.27
Board_2-unconnected-(U2-IO17-Pad28): U2#2.28
Board_2-unconnected-(U2-NC-Pad32): U2#2.32
Board_2-unconnected-(U3-D_SEL-Pad20): U3#2.20
Board_2-unconnected-(U3-LNA_EN-Pad30): U3#2.30
Board_2-unconnected-(U3-RES-Pad2): U3#2.2
Board_2-unconnected-(U3-RES-Pad28): U3#2.28
Board_2-unconnected-(U3-RES_N-Pad23): U3#2.23
Board_2-unconnected-(U3-RXD/SPI_MOSI-Pad26): U3#2.26
Board_2-unconnected-(U3-SAFEBOOT_N-Pad24): U3#2.24
Board_2-unconnected-(U3-TXD/SPI_MISO-Pad25): U3#2.25
Board_2-unconnected-(U4-DIO3-Pad11): U4.11
Board_2-unconnected-(U4-DIO4-Pad12): U4.12
Board_2-unconnected-(U4-DIO5-Pad7): U4.7
Board_2-unconnected-(U5-NC-Pad4): U5.4
Board_2-unconnected-(U6-R232-Pad15): U6.15
Board_2-unconnected-(U6-XI-Pad7): U6.7
Board_2-unconnected-(U6-XO-Pad8): U6.8
Board_2-unconnected-(U6-~{CTS}-Pad9): U6.9
Board_2-unconnected-(U6-~{DCD}-Pad12): U6.12
Board_2-unconnected-(U6-~{DSR}-Pad10): U6.10
Board_2-unconnected-(U6-~{RI}-Pad11): U6.11
Board_2-unconnected-(U7-E0-Pad4): U7.4
Board_2-unconnected-(U7-E1-Pad5): U7.5
Board_2-unconnected-(U7-E2-Pad6): U7.6
Board_2-unconnected-(U7-NC-Pad14): U7.14
Board_2-unconnected-(U7-NC-Pad16): U7.16
Board_2-unconnected-(U7-PAD-Pad17)_3: U7.17
Board_2-unconnected-(U8-NC-Pad4): U8.4
Board_2-unconnected-(U8-NC-Pad11): U8.11
Board_2-unconnected-(USB1-ID-Pad4): USB1#2.4
Board_2-unconnected-(USB1-Shield-Pad6): USB1#2.6
Board_2-VCC: C3#2.1 C9.2 R10#3.2 U1#2.6 U5.1
Board_3-0: Q1.3 U2#4.25
Board_3-4: CARD1#4.2 R11#2.2 U2#4.26
Board_3-5: U2#4.29 U3#3.7
Board_3-13: U2#4.16 U4#4.14
Board_3-14: U2#4.13 U4#4.5
Board_3-15: U2#4.23 U7#2.3
Board_3-18: CARD1#4.5 R13#3.2 U2#4.30 U4#4.4
Board_3-19: CARD1#4.7 R14#3.2 U2#4.31 U4#4.2
Board_3-23: CARD1#4.3 R12#4.2 U2#4.37 U4#4.3
Board_3-27: R1#2.1 U2#4.12
Board_3-32: U2#4.8 U7#2.7
Board_3-33: U2#4.9 U4#4.15
Board_3-34: R9#4.2 U2#4.6 U4#4.6
Board_3-35: R4.1 R5#4.2 U2#4.7
Board_3-36: TP9.1 U1.1 U2#4.4
Board_3-39: U2#4.5 U4#4.16
Board_3-+3.3V: C6#3.2 U4#4.13
Board_3-+3V3: C4#2.2 C5#4.1 C10#2.2 C11#3.2 C12#3.1 C13#2.1 C15#3.1 C16#4.1 CARD1#4.4 L2#4.1 R6#2.1 R7#2.1 R8#2.1 R9#4.1 R11#2.1 R12#4.1 R13#3.1 R14#3.1 S2#2.2 TP3#3.1 U2#4.2 U3#3.1 U3#3.8 U3#3.9 U5#3.5 U7#2.15 U8#2.3 U8#2.7 U8#2.10
Board_3-+5V: C1#3.2 L1.1 TP2#4.1 U1.5 USB1#3.1
Board_3-+BATT: C2#3.2 J1#2.1 JP1#3.1 TP6.1 U1.7
Board_3-ACC_INT1: TP7#3.1 U2#4.10 U8#2.5
Board_3-ACC_INT2: TP8#2.1 U2#4.11 U8#2.6
Board_3-ANT: JP2#2.1 U4#4.9
Board_3-ANT1: ANT1#4.1 C8#4.1 U7#2.1
Board_3-ANT2: ANT2#2.1 C8#4.2 U7#2.2
Board_3-D+: U6#4.5 USB1#3.3
Board_3-D-: U6#4.6 USB1#3.2
Board_3-DTR: Q1.2 Q1.4 U6#4.13
Board_3-GND: C1#3.1 C2#3.1 C3.2 C4#2.1 C5#4.2 C6#3.1 C7#4.2 C9#4.1 C10#2.1 C11#3.1 C12#3.2 C13#2.2 C14#4.2 C15#3.2 C16#4.2 CARD1#4.6 CARD1#4.9 CARD1#4.10 CARD1#4.11 CARD1#4.12 D1#4.1 D2#2.1 J1#2.2 J2#3.1 L1.2 L2#4.2 R2#3.2 R4.2 S1.3 S1.4 S1.5 S1.6 TP1#2.1 U1.8 U2#4.1 U2#4.15 U2#4.38 U3#3.4 U3#3.5 U3#3.10 U3#3.11 U3#3.12 U3#3.13 U3#3.14 U3#3.15 U3#3.18 U3#3.19 U3#3.21 U3#3.22 U3#3.27 U3#3.31 U4#4.1 U4#4.8 U4#4.10 U5#3.2 U6#4.1 U7#2.8 U7#2.9 U7#2.13 U8#2.1 U8#2.8 U8#2.9 USB1#3.5
Board_3-Net-(D1-A): D1#4.2 R1#2.2
Board_3-Net-(D2-A): D2#2.2 R3#3.2
Board_3-Net-(JP1-B): JP1#3.2 R5#4.1
Board_3-Net-(JP2-B): J2#3.2 JP2#2.2
Board_3-Net-(U1-TS/MR): R2#3.1 U1.4
Board_3-Net-(U3-RF_IN): U3#3.16 U3#3.17
Board_3-Net-(U3-TIMEPULSE): R3#3.1 U3#3.29
Board_3-Net-(U5-EN): R10#2.1 U5#3.3
Board_3-Net-(U6-V3): S2#2.1 U6#4.4 U6#4.16
Board_3-Net-(U7-VCORE): C14#4.1 U7#2.12
Board_3-RESET: C7#4.1 Q1.6 R8#2.2 S1.1 U2#4.3
Board_3-RTS: Q1.1 Q1.5 U6#4.14
Board_3-RX0: U2#4.34 U6#4.2
Board_3-SCL: R7#2.2 TP5#4.1 U1.2 U2#4.36 U3#3.6 U7#2.10 U8#2.12
Board_3-SDA: R6#2.2 TP4#2.1 U1.3 U2#4.33 U3#3.3 U7#2.11 U8#2.2
Board_3-TX0: U2#4.35 U6#4.3
Board_3-unconnected-(CARD1-DAT1-Pad8): CARD1#4.8
Board_3-unconnected-(CARD1-DAT2-Pad1): CARD1#4.1
Board_3-unconnected-(S1-Pad2): S1.2
Board_3-unconnected-(U2-IO2-Pad24): U2#4.24
Board_3-unconnected-(U2-IO6-Pad20): U2#4.20
Board_3-unconnected-(U2-IO7-Pad21): U2#4.21
Board_3-unconnected-(U2-IO8-Pad22): U2#4.22
Board_3-unconnected-(U2-IO9-Pad17): U2#4.17
Board_3-unconnected-(U2-IO10-Pad18): U2#4.18
Board_3-unconnected-(U2-IO11-Pad19): U2#4.19
Board_3-unconnected-(U2-IO12-Pad14): U2#4.14
Board_3-unconnected-(U2-IO16-Pad27): U2#4.27
Board_3-unconnected-(U2-IO17-Pad28): U2#4.28
Board_3-unconnected-(U2-NC-Pad32): U2#4.32
Board_3-unconnected-(U3-D_SEL-Pad20): U3#3.20
Board_3-unconnected-(U3-LNA_EN-Pad30): U3#3.30
Board_3-unconnected-(U3-RES-Pad2): U3#3.2
Board_3-unconnected-(U3-RES-Pad28): U3#3.28
Board_3-unconnected-(U3-RES_N-Pad23): U3#3.23
Board_3-unconnected-(U3-RXD/SPI_MOSI-Pad26): U3#3.26
Board_3-unconnected-(U3-SAFEBOOT_N-Pad24): U3#3.24
Board_3-unconnected-(U3-TXD/SPI_MISO-Pad25): U3#3.25
Board_3-unconnected-(U4-DIO3-Pad11): U4#4.11
Board_3-unconnected-(U4-DIO4-Pad12): U4#4.12
Board_3-unconnected-(U4-DIO5-Pad7): U4#4.7
Board_3-unconnected-(U5-NC-Pad4): U5#3.4
Board_3-unconnected-(U6-R232-Pad15): U6#4.15
Board_3-unconnected-(U6-XI-Pad7): U6#4.7
Board_3-unconnected-(U6-XO-Pad8): U6#4.8
Board_3-unconnected-(U6-~{CTS}-Pad9): U6#4.9
Board_3-unconnected-(U6-~{DCD}-Pad12): U6#4.12
Board_3-unconnected-(U6-~{DSR}-Pad10): U6#4.10
Board_3-unconnected-(U6-~{RI}-Pad11): U6#4.11
Board_3-unconnected-(U7-E0-Pad4): U7#2.4
Board_3-unconnected-(U7-E1-Pad5): U7#2.5
Board_3-unconnected-(U7-E2-Pad6): U7#2.6
Board_3-unconnected-(U7-NC-Pad14): U7#2.14
Board_3-unconnected-(U7-NC-Pad16): U7#2.16
Board_3-unconnected-(U7-PAD-Pad17)_3: U7#2.17
Board_3-unconnected-(U8-NC-Pad4): U8#2.4
Board_3-unconnected-(U8-NC-Pad11): U8#2.11
Board_3-unconnected-(USB1-ID-Pad4): USB1#3.4
Board_3-unconnected-(USB1-Shield-Pad6): USB1#3.6
Board_3-VCC: C3.1 C9#4.2 R10#2.2 U1.6 U5#3.1

## Via types
v1: diameter 0.5, hole 0.25, Top to Bottom, 604 vias
v2: diameter 0.6, hole 0.3, Top to Bottom, 44 vias

## Routing (per net, layer and track width the routed paths; a pad name or vN(x,y) marks a point on that pad's centre or on a via; arc(x,y) is an arc through that point)
Board_0-0: length 13.3
  Top w0.2: Q1#2.3 23.65,70.95 v1(22.6,72)
  SIG_PWR2 w0.2: v1(22.7,79.1) 22.6,79 v1(22.6,72)
  Bottom w0.2: U2#3.25 23.36,78.44 v1(22.7,79.1)
Board_0-4: length 24.4
  Top w0.2: v1(33,84.8) 32.3,84.1 32.3,83.09 ; CARD1.2 33.72,92.68 v1(33.7,92.7)
  SIG_PWR2 w0.2: v1(33.7,92.7) 33.03,92.03 33.03,84.5 30.13,81.6 26.9,81.6 v1(24.4,79.1)
  Bottom w0.2: v1(24.4,79.1) 24.4,77.64 U2#3.26
